# Altium PCB LED_PCB.PcbDoc
Units mm, origin at the board's own origin, x right, y up, seen from the top; angles counter-clockwise.
Board outline 152.4 x 101.6 mm, 2 copper layers (Top Layer, Bottom Layer); 45 components, 32 nets, 114 pads, 25 vias.
Unrouted connection lines stored in the file: 51.
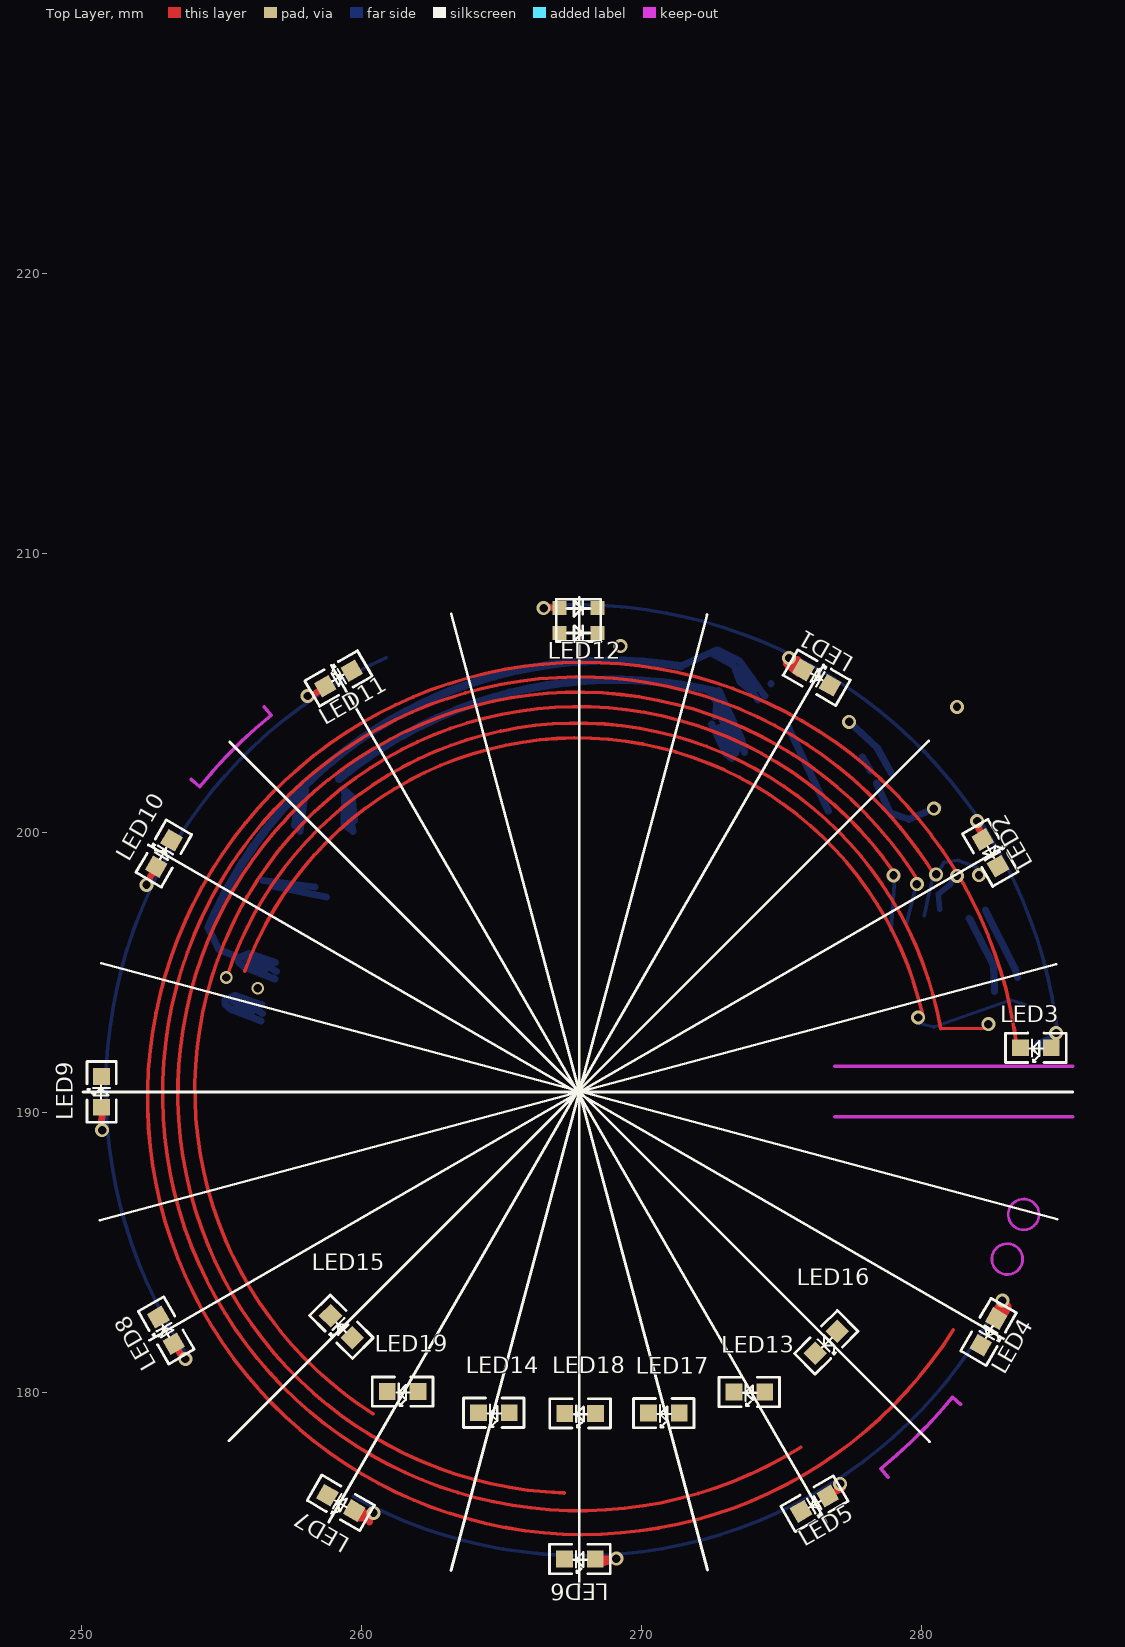
[diagram p0: Top Layer view]
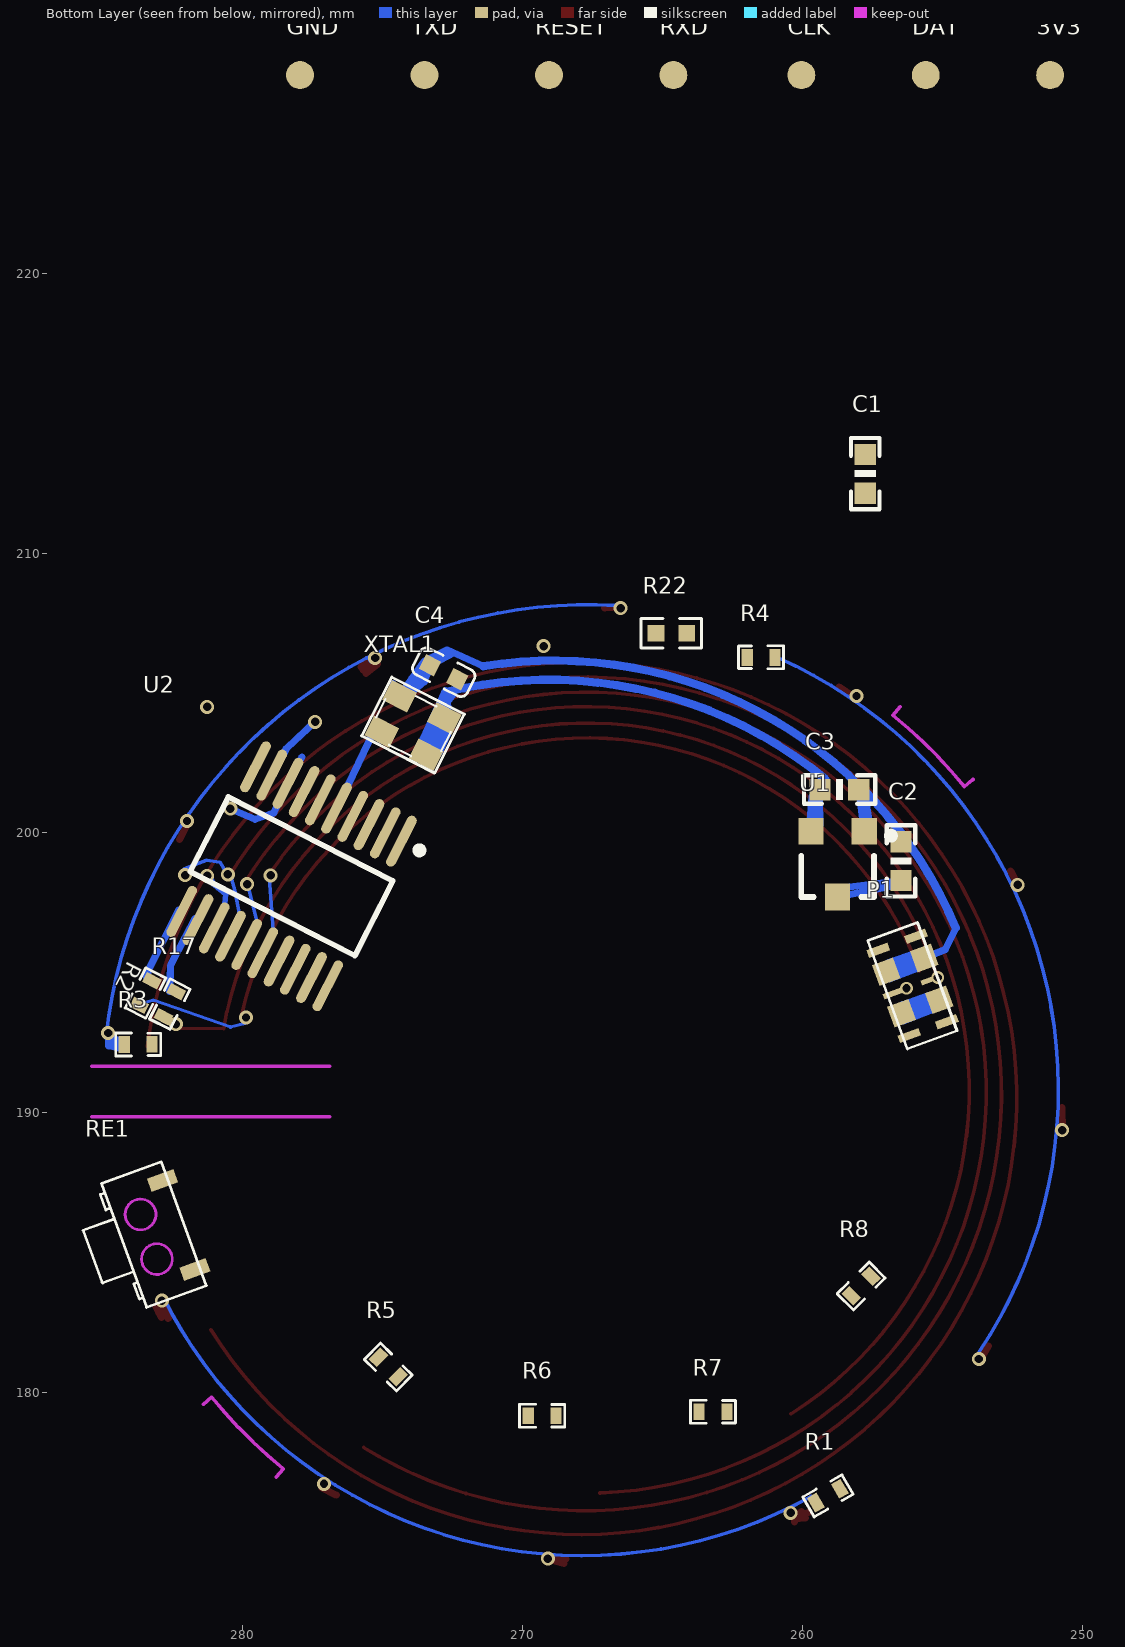
[diagram p1: Bottom Layer view, seen from below]

## Layer stack, top to bottom
Top Layer: signal copper 0.0356
Dielectric: dielectric 0.32, FR-4, Dk 4.8
Bottom Layer: signal copper 0.0356

## Board outline
25.4,25.4 177.8,25.4 177.8,127 25.4,127

## Design rules (kind name [scope] priority, off if disabled: settings)
Clearance [All] p1: gap=0.127
PolygonConnect [All] p1: connectstyle=Relief reliefconductorwidth=0.254 reliefentries=4 polygonreliefangle="90 Angle"
RoutingVias [All] p1: holewidth=0.3 width=0.5 viastyle="Through Hole" minholewidth=0.3 minwidth=0.5 maxholewidth=0.3 maxwidth=0.5
SilkscreenOverComponentPads [All] p1: minsilkscreentomaskgap=0.254
SolderMaskExpansion [All] p1: expansion=0.102
Width [All] p1: maxlimit=0.5 minlimit=0.127 preferedwidth=0.254
27 further rules are at their usual default settings.

## Components (designator, comment, footprint, x,y, rotation, side; value= is the part's Value field where it differs from the comment)
3V3 "测试点" 测试点 251.104,227.076 r180 bottom
C1 "104" 0603P 257.759,212.837 r270 bottom
C2 "106" 0603P 256.483,199.002 r270 bottom
C3 "104" 0603P 258.678,201.549 r0 bottom
C4 "104" 0402_C 272.827,205.735 r27 bottom
CLK "测试点" 测试点 259.994,227.076 r180 bottom
DAT "测试点" 测试点 255.549,227.076 r180 bottom
GND "测试点" 测试点 277.901,227.076 r180 bottom
LED1 "LED" 0402_LED 276.271,205.529 r330 top
LED2 "LED" 0402_LED 282.462,199.269 r300 top
LED3 "LED" 0402_LED 284.073,192.337 r180 top
LED4 "LED" 0402_LED 282.379,182.166 r240 top
LED5 "LED" 0402_LED 276.155,176.039 r210 top
LED6 "LED" 0402_LED 267.782,174.076 r180 top
LED7 "LED" 0402_LED 259.248,176.089 r150 top
LED8 "LED" 0402_LED 253.021,182.253 r120 top
LED9 "LED" 0402_LED 250.727,190.767 r90 top
LED10 "LED" 0402_LED 252.956,199.276 r60 top
LED11 "LED" 0402_LED 259.198,205.518 r30 top
LED12 "R_G_LED" 0603_R_G_LED 267.731,207.615 r0 top
LED13 "LED" 0402_LED 273.833,180.041 r180 top
LED14 "LED" 0402_LED 264.705,179.297 r180 top
LED15 "LED" 0402_LED 259.275,182.384 r135 top
LED16 "LED" 0402_LED 276.578,181.799 r225 top
LED17 "LED" 0402_LED 270.778,179.287 r180 top
LED18 "LED" 0402_LED 267.792,179.276 r180 top
LED19 "LED" 0402_LED 261.449,180.055 r180 top
P1 "MHDR2X3" AXF_6A_G 256.091,194.516 r250 bottom locked
R1 "1K" 0402_R#1 259.06,176.308 r150 bottom
R2 "100R" 0402_R#2 283.435,194.331 r117 bottom
R3 "1K" 0402_R#1 283.712,192.416 r180 bottom
R4 "1K" 0402_R#1 261.508,206.307 r0 bottom
R5 "1K" 0402_R#2 274.765,180.867 r225 bottom
R6 "1K" 0402_R#2 269.246,179.17 r180 bottom
R7 "1K" 0402_R#2 263.141,179.31 r180 bottom
R8 "1K" 0402_R#2 257.855,183.849 r135 bottom
R17 "100R" 0402_R#1 282.563,193.891 r117 bottom
R22 "1K" 0402_R#3 264.684,207.125 r180 bottom
RE1 "KEY_M" "轻触开关 2x4" 283.245,185.615 r70 bottom
RESET "测试点" 测试点 269.011,227.076 r180 bottom
RXD "测试点" 测试点 264.566,227.076 r180 bottom
TXD "测试点" 测试点 273.456,227.076 r180 bottom
U1 "662K" SOT-23 258.75,198.887 r0 bottom
U2 "N76E003" STSOP20 278.629,198.26 r117 bottom
XTAL1 "32.768KHz_10PPM_12p" 晶振2*2.6 273.942,203.728 r27 bottom

## Footprints (in the part's own frame and the unit in brackets; to place one, negate y for a bottom-side part, rotate by r counter-clockwise, add the part's x,y. Pads: shape width x height; smd on the part's side, far side on the other; paste and mask are expansions set on the pad)
0402_C [mm]
  rect 0.6x0.6 smd: 1(-0.553,-0.008) 2(0.547,-0.008)
  silkscreen extent -1.09,-0.53 1.08,0.52
0402_LED [mm]
  rect 0.6x0.6 smd: 1(-0.568,0.013) 2(0.532,0.013)
  silkscreen extent -1.1,-0.51 1.07,0.54
0402_R#1 [mm]
  rect 0.4x0.6 smd: 1(-0.522,0.032) 2(0.472,0.033)
  silkscreen extent -0.83,-0.38 0.78,0.44
0402_R#2 [mm]
  rect 0.4x0.6 smd: 1(-0.558,0.013) 2(0.435,0.013)
  silkscreen extent -0.86,-0.4 0.75,0.42
0402_R#3 [mm]
  rect 0.6x0.6 smd: 1(-0.558,0.013) 2(0.542,0.013)
  silkscreen extent -1.09,-0.51 1.08,0.54
0603_R_G_LED [mm]
  rect 0.5x0.5 smd: 1(-0.652,-0.479) 2(-0.662,0.429) 3(0.702,0.426) 4(0.703,-0.472)
  silkscreen extent -0.78,-0.77 0.82,0.73
0603P [mil]
  rect 30x30 smd: 1(-27,0) 2(27.5,-0.06)
  silkscreen extent -50,-20 50,20
AXF_6A_G [mm]
  rect 0.3x0.8 smd: 0(-1.635,-0.688) 0(-1.635,0.747) 0(1.609,-0.695) 0(1.609,0.74)
  rect 0.8x0.8 smd: 1(-0.809,-0.683) 2(-0.809,0.752) 5(0.776,-0.683) 6(0.776,0.752)
  rect 0.2x0.8 smd: 3(0.001,-0.685) 4(0.001,0.75)
  silkscreen extent -2.08,-0.92 2.04,0.97
SOT-23 [mm]
  rect 0.9x0.95 smd: 1(-0.95,-1.175) 2(0.95,-1.175) 3(0,1.175)
  silkscreen extent -2.03,-1.14 1.3,1.18
STSOP20 [mm]
  oval 2x0.35 smd: 1(3.241,-3.17) 2(3.241,-2.52) 3(3.241,-1.87) 4(3.241,-1.22) 5(3.241,-0.57) 6(3.241,0.08) 7(3.241,0.73) 8(3.241,1.38) 9(3.241,2.03) 10(3.241,2.68) 11(-2.559,2.68) 12(-2.559,2.03) 13(-2.559,1.38) 14(-2.559,0.73) 15(-2.559,0.08) 16(-2.559,-0.57) 17(-2.559,-1.22) 18(-2.559,-1.87) 19(-2.559,-2.52) 20(-2.559,-3.17)
  silkscreen extent -1.16,-4.02 3.37,3.06
晶振2*2.6 [mm]
  rect 1x0.8 smd: 1(-0.846,-0.852) 2(0.938,-0.828) 3(0.92,0.6) 4(-0.864,0.612)
  silkscreen extent -1.43,-1.31 1.5,1.05
测试点 [mm]
  round 1 smd: 1(-0.051,0)
"轻触开关 2x4" [mm]
  rect 0.5x1 smd: 1(-1.66,-1.025) 2(1.723,-1.025)
  Keep-Out Layer circle w0.1: c0.851,0.124 r0.55
  Keep-Out Layer circle w0.1: c-0.849,0.119 r0.55
  silkscreen extent -2.34,-1.22 2.37,2.25

## Part data
C2 C3 C4: library part Cap, "Capacitor"
LED12: library part R_G
P1: "Header, 3-Pin, Dual r"
U1: library part 662
U2: library part N76

## Via types
v1: diameter 0.5, hole 0.3, Top Layer to Bottom Layer, 23 vias
v2: diameter 0.45, hole 0.3, Top Layer to Bottom Layer, 2 vias

## Nets (pads, with @x,y where several pads share a name; then routed paths per layer and width w, separated by ;. In a path a pad name is that pad's centre, name@x,y a point inside that pad or via, vN(x,y) a via of type N, cw(c..) or ccw(c..) an arc to the next point about the centre after c; other vN are vias at no path point)
3.3V: 3V3.1 C1.2 C3.2 C4.1 U1.2 U2.9 XTAL1.1 XTAL1.4 | length 30.3
  Bottom Layer w0.254: C3.2@259.4,201.258 259.378,200.286 U1.2 C3.2 259.655,201.297 U1.2@259.738,200.448 ; 272.471,204.981 272.686,204.688 272.656,204.219 XTAL1.1@272.622,204.158 ; XTAL1.1@272.512,203.89 273.006,202.841 273.212,202.676 XTAL1.4@273.232,202.669 ; 272.526,204.94 273.047,204.123 XTAL1.1@273.04,204.116 ; 272.686,204.505 XTAL1.4@273.376,202.895 ; 272.752,205.097 273.596,203.3 XTAL1.4@273.678,202.882 ; XTAL1.1@272.779,203.76 XTAL1.4@273.129,202.991 ; XTAL1.1@273.115,203.89 XTAL1.4@273.541,203.039 ; XTAL1.4@273.321,202.847 XTAL1.4@273.356,202.841 ; v1(277.415,203.972) 278.427,203.039 U2.9@278.928,202.122
  Bottom Layer w0.3: C3.2@259.193,201.929 cw(c269.08,189.914) 272.775,205.029
BAT: C2.2 P1.5 P1.6 U1.3 | length 9.2
  Bottom Layer w0.254: P1.6@255.405,193.984 P1.5@256.063,193.572 ; 255.734,193.778 P1.6@255.357,193.682 ; P1.5@256.413,193.284 P1.6@255.357,193.682 ; P1.5@256.434,193.867 P1.6@255.487,194.196 ; P1.5 P1.6@255.487,194.196 ; C2.2 U1.3@258.328,198.066 ; C2.2@256.793,198.11 U1.3 ; P1.6@255.357,193.682 255.118,193.886 P1.6 P1.6@255.487,194.196
COM1: LED3.2 LED4.2 LED8.2 U2.13 | length 88.7
  Top Layer w0.127: 281.144,182.257 cw(c267.933,190.518) LED3.2@283.404,192.368
  Bottom Layer w0.2: U2.13@280.659,197.281 280.602,197.813 281.021,198.145 v1@281.169,198.425
  other v1: 281.273,198.468
COM2: LED2.2 LED5.2 LED9.2 U2.14 | length 74
  Top Layer w0.127: 275.683,178.052 cw(c267.787,190.68) v1@280.537,198.379
  Bottom Layer w0.127: U2.14@280.103,197.045 280.294,197.965 v1@280.442,198.524 ; v1@280.57,198.545 280.815,198.958 281.296,199.02 282.087,198.725 v1@282.179,198.524
  other v1: 282.059,198.495 280.53,198.524
COM3: LED1.2 LED6.2 LED10.2 U2.15 | length 60.4
  Top Layer w0.127: 267.238,176.42 cw(c267.746,190.72) v1@279.97,198.159
  Bottom Layer w0.127: U2.15@279.481,196.787 v1@279.801,198.077
  other v1: 279.84,198.17 269.252,206.675
COM4: LED7.2 LED11.2 LED12.3 U2.16 | length 50.4
  Top Layer w0.127: 260.418,179.25 cw(c267.738,190.822) v1@278.999,198.611
  Bottom Layer w0.127: U2.16@278.915,196.524 v1@279.055,198.402
  other v1: 279.002,198.487
GET1: R3.2 U2.10
GET2: R1.2 U2.19
GET3: R4.2 U2.18
GND: C1.1 C2.1 C3.1 C4.2 GND.1 LED12.4 P1.1 P1.2 RE1.2 U1.1 U2.7 XTAL1.2 | length 39.3
  Bottom Layer w0.254: 254.518,196.609 254.9,195.837 P1.2 ; P1.2@255.894,195.486 256.552,195.075 ; 256.223,195.28 P1.2@255.846,195.184 ; P1.1@256.902,194.787 P1.2@255.846,195.184 ; P1.1@256.923,195.37 P1.2@255.976,195.699 ; P1.1@256.955,195.055 P1.2@255.976,195.699 ; U1.1@257.599,200.264 C3.1@257.765,201.336 ; U1.1 C3.1 ; 271.403,205.958 272.703,206.544 273.524,206.129 XTAL1.2 ; 272.471,206.428 273.191,206.044 273.507,205.798 273.706,205.338 274.138,204.801 XTAL1.2@274.163,204.759 ; 272.997,206.288 273.826,205.392 ; C4.2@273.368,205.804 273.517,205.402 273.904,205.082 XTAL1.2@273.911,205.082 ; 273.963,205.51 273.953,205.228 XTAL1.2@274.035,205.118 ; XTAL1.2@274.632,205.33 XTAL1.2@274.632,205.347 ; P1.2@255.846,195.184 255.607,195.389 255.607,195.546 P1.2@255.976,195.699
  Bottom Layer w0.3: 254.53,196.604 cw(c268.886,190.603) 271.403,205.958
ICE_CLK: CLK.1
ICE_DAT: DAT.1 LED13.2 LED17.1 R5.2 U2.8 | length 3.6
  Bottom Layer w0.254: 277.887,202.719 U2.8@278.184,202.218 ; U2.8@278.396,201.791 278.889,200.715 279.56,200.487 v1@280.611,200.943
  other v1: 280.442,200.869
KEY: RE1.1 RESET.1 U2.4
LED1: R8.2 U2.1
LED2: LED15.2 LED19.1 R7.2 RXD.1 U2.3
LED3: LED14.2 LED18.1 R6.2 U2.6
  other v1: 281.274,204.506
LED5: LED16.1 U2.20
LED12_A: LED1.1 LED2.1 LED3.1 LED12.2 R3.1 | length 31.2
  Top Layer w0.254: v1@266.454,208.07 LED12.2 ; v1@275.187,206.037 LED1.1@275.594,205.702 ; v1@275.311,206.094 LED1.1@275.701,205.824 ; v1@275.347,206.238 275.563,206.192 LED1.1@275.774,205.934 ; v1@281.998,200.271 LED2.1@282.256,199.773
  Bottom Layer w0.127: v1@266.639,208.126 cw(c267.684,190.856) v1@284.88,192.766
  Bottom Layer w0.254: v1@275.278,206.246 v1(275.272,206.253) v1@275.395,206.178 ; R3.1@284.169,192.486 284.387,192.559 v1@284.711,192.718 ; R3.1 284.705,192.553 ; R3.1@284.361,192.301 284.804,192.401 v1@284.817,192.837
  other v1: 284.811,192.855 281.993,200.43 266.503,208.029
LED_SING: R22.2 U2.17
NetLED4_1: LED4.1 LED5.1 LED6.1 LED7.1 R1.1 | length 32.2
  Top Layer w0.254: LED7.1@259.792,175.729 v1@260.285,175.521 ; LED7.1@259.892,175.529 260.285,175.493 260.285,175.386 ; LED7.1@260.035,175.757 v1@260.421,175.586 ; LED6.1@268.446,174.058 v1@269.171,174.058 ; LED6.1@268.521,173.905 268.589,173.923 v1@269.102,174.058 ; LED5.1@276.654,176.343 v1@277.185,176.613 ; LED4.1 282.585,182.776 282.655,182.947 v1@282.929,183.269 ; LED4.1@282.674,182.707 282.977,183.055 ; LED4.1@282.897,182.695 283.004,182.878 283.101,183.092
  Bottom Layer w0.127: R1.1@259.7,176.297 ccw(c267.851,190.973) v1@282.87,183.472
  other v1: 269.102,174.074 260.427,175.708 277.099,176.749 282.892,183.295
NetLED8_1: LED8.1 LED9.1 LED10.1 LED11.1 R4.1 | length 31.8
  Top Layer w0.254: v1@250.712,189.386 LED9.1@250.729,190.199 ; v1@252.319,198.184 252.567,198.632 LED10.1@252.573,198.644 ; LED8.1@253.365,181.668 v1@253.63,181.215 ; v1@258.223,204.903 LED11.1@258.694,205.222
  Bottom Layer w0.127: 253.694,181.461 cw(c267.77,190.825) R4.1@260.887,206.267
  other v1: 253.703,181.207 250.729,189.387 252.315,198.145 258.072,204.894
NetLED12_1: LED12.1 R22.1
NetLED13_1: LED13.1 LED17.2 R6.1
NetLED14_1: LED14.1 LED18.2 R7.1
NetLED15_1: LED15.1 LED19.2 R8.1
NetLED16_2: LED16.2 R5.1
NetR2_2: R2.2 U2.11 | length 2.7
  Bottom Layer w0.254: U2.11@282.286,197.242 283.321,195.206 R2.2@283.439,194.842
NetR17_2: R17.2 U2.12 | length 2.8
  Bottom Layer w0.254: U2.12@281.706,196.947 282.585,195.25 R17.2@282.61,194.346
NetU2_5: U2.5 XTAL1.3 | length 3.3
  Bottom Layer w0.254: XTAL1.3@275.263,203.745 U2.5@276.674,200.791
P02/I2C_SCL: P1.4 R17.1 | length 36.5
  Top Layer w0.127: v2@255.209,194.916 cw(c267.707,190.759) 280.684,193.005 v1@282.339,193.029
  other v1: 282.393,193.169
  other v2: 255.172,194.837
P03/I2C_SDA: P1.3 R2.1 | length 36.5
  Top Layer w0.127: 255.825,195.06 cw(c267.707,190.759) v1@280.041,193.508
  Bottom Layer w0.127: v1@279.913,193.206 280.438,193.069 283.195,194.032 R2.1@283.71,193.869
  other v1: 279.885,193.408
  other v2: 256.288,194.456
TXD: TXD.1 U2.2
pads on no net: P1.0

## Keep-outs
Keep-Out Layer:
  lines w0.127: 253.913,201.911 254.219,201.654 cw(c267.663,190.765) 256.774,204.208 256.517,204.515 ; 276.9,189.866 285.398,189.866 ; 276.9,191.666 285.398,191.666 ; 278.808,176.983 278.551,177.29 ccw(c267.662,190.733) 281.106,179.844 281.412,179.587

## Silkscreen, mask and mechanical layers (free items; w line width, h text height)
Top Overlay:
  lines w0.1: 250.051,190.744 285.409,190.744 ; 250.659,186.162 284.813,195.313 ; 250.703,195.349 284.856,186.198 ; 252.378,199.576 282.998,181.897 ; 252.427,181.881 283.048,199.56 ; 255.258,178.285 280.26,203.287 ; 255.291,203.256 280.293,178.255 ; 258.827,175.387 276.506,206.008 ; 258.921,205.993 276.6,175.372 ; 263.193,173.654 272.345,207.807 ; 263.203,207.827 272.355,173.673 ; 267.775,173.066 267.775,208.424
Mechanical 1:
  lines w0.127: 250.58,195.218 cw(c267.729,190.835) 253.918,201.906 ; 250.621,195.374 ccw(c267.729,190.835) 278.782,177.011 ; 256.604,204.569 cw(c267.716,190.792) 285.389,191.775 ; 259.093,188.172 cw(c264.252,190.792) 259.093,193.412 262.347,199.819 cw(c264.665,198.642) 264.665,201.242 ; 270.753,201.294 cw(c270.753,198.694) 273.071,199.871 ; 270.78,201.285 264.678,201.285 ccw(c264.678,198.685) 262.359,199.863 259.106,193.455 ccw(c264.265,190.835) 259.106,188.216 262.359,181.808 ccw(c264.678,182.985) 264.678,180.385 270.78,180.385 ccw(c270.78,182.985) 273.098,181.808 276.377,188.266 ; 273.086,181.765 276.339,188.172 ; 273.098,199.863 276.358,193.442 ; 276.25,188.012 ccw(c268.775,191.319) 276.822,189.885 ; 276.33,193.428 cw(c271.058,190.75) 276.9,191.666 ; 281.445,179.621 ccw(c267.716,190.792) 285.392,189.867
Mechanical 15:
  circle w0.254: c267.864,190.743 r12.699